# Altium PCB STM32MP25XXAK_LPDDR4_ascii.PcbDoc (part 4 of 5)
Units mm, origin at the board's own origin, x right, y up, seen from the top; angles counter-clockwise.
Board outline 120 x 79.6 mm, 4 copper layers (Top Layer, Signal Layer 1, Signal Layer 2, Bottom Layer), stack 1.614 mm thick; 190 components, 143 nets, 1208 pads, 757 vias.
Unrouted connection lines stored in the file: 3.
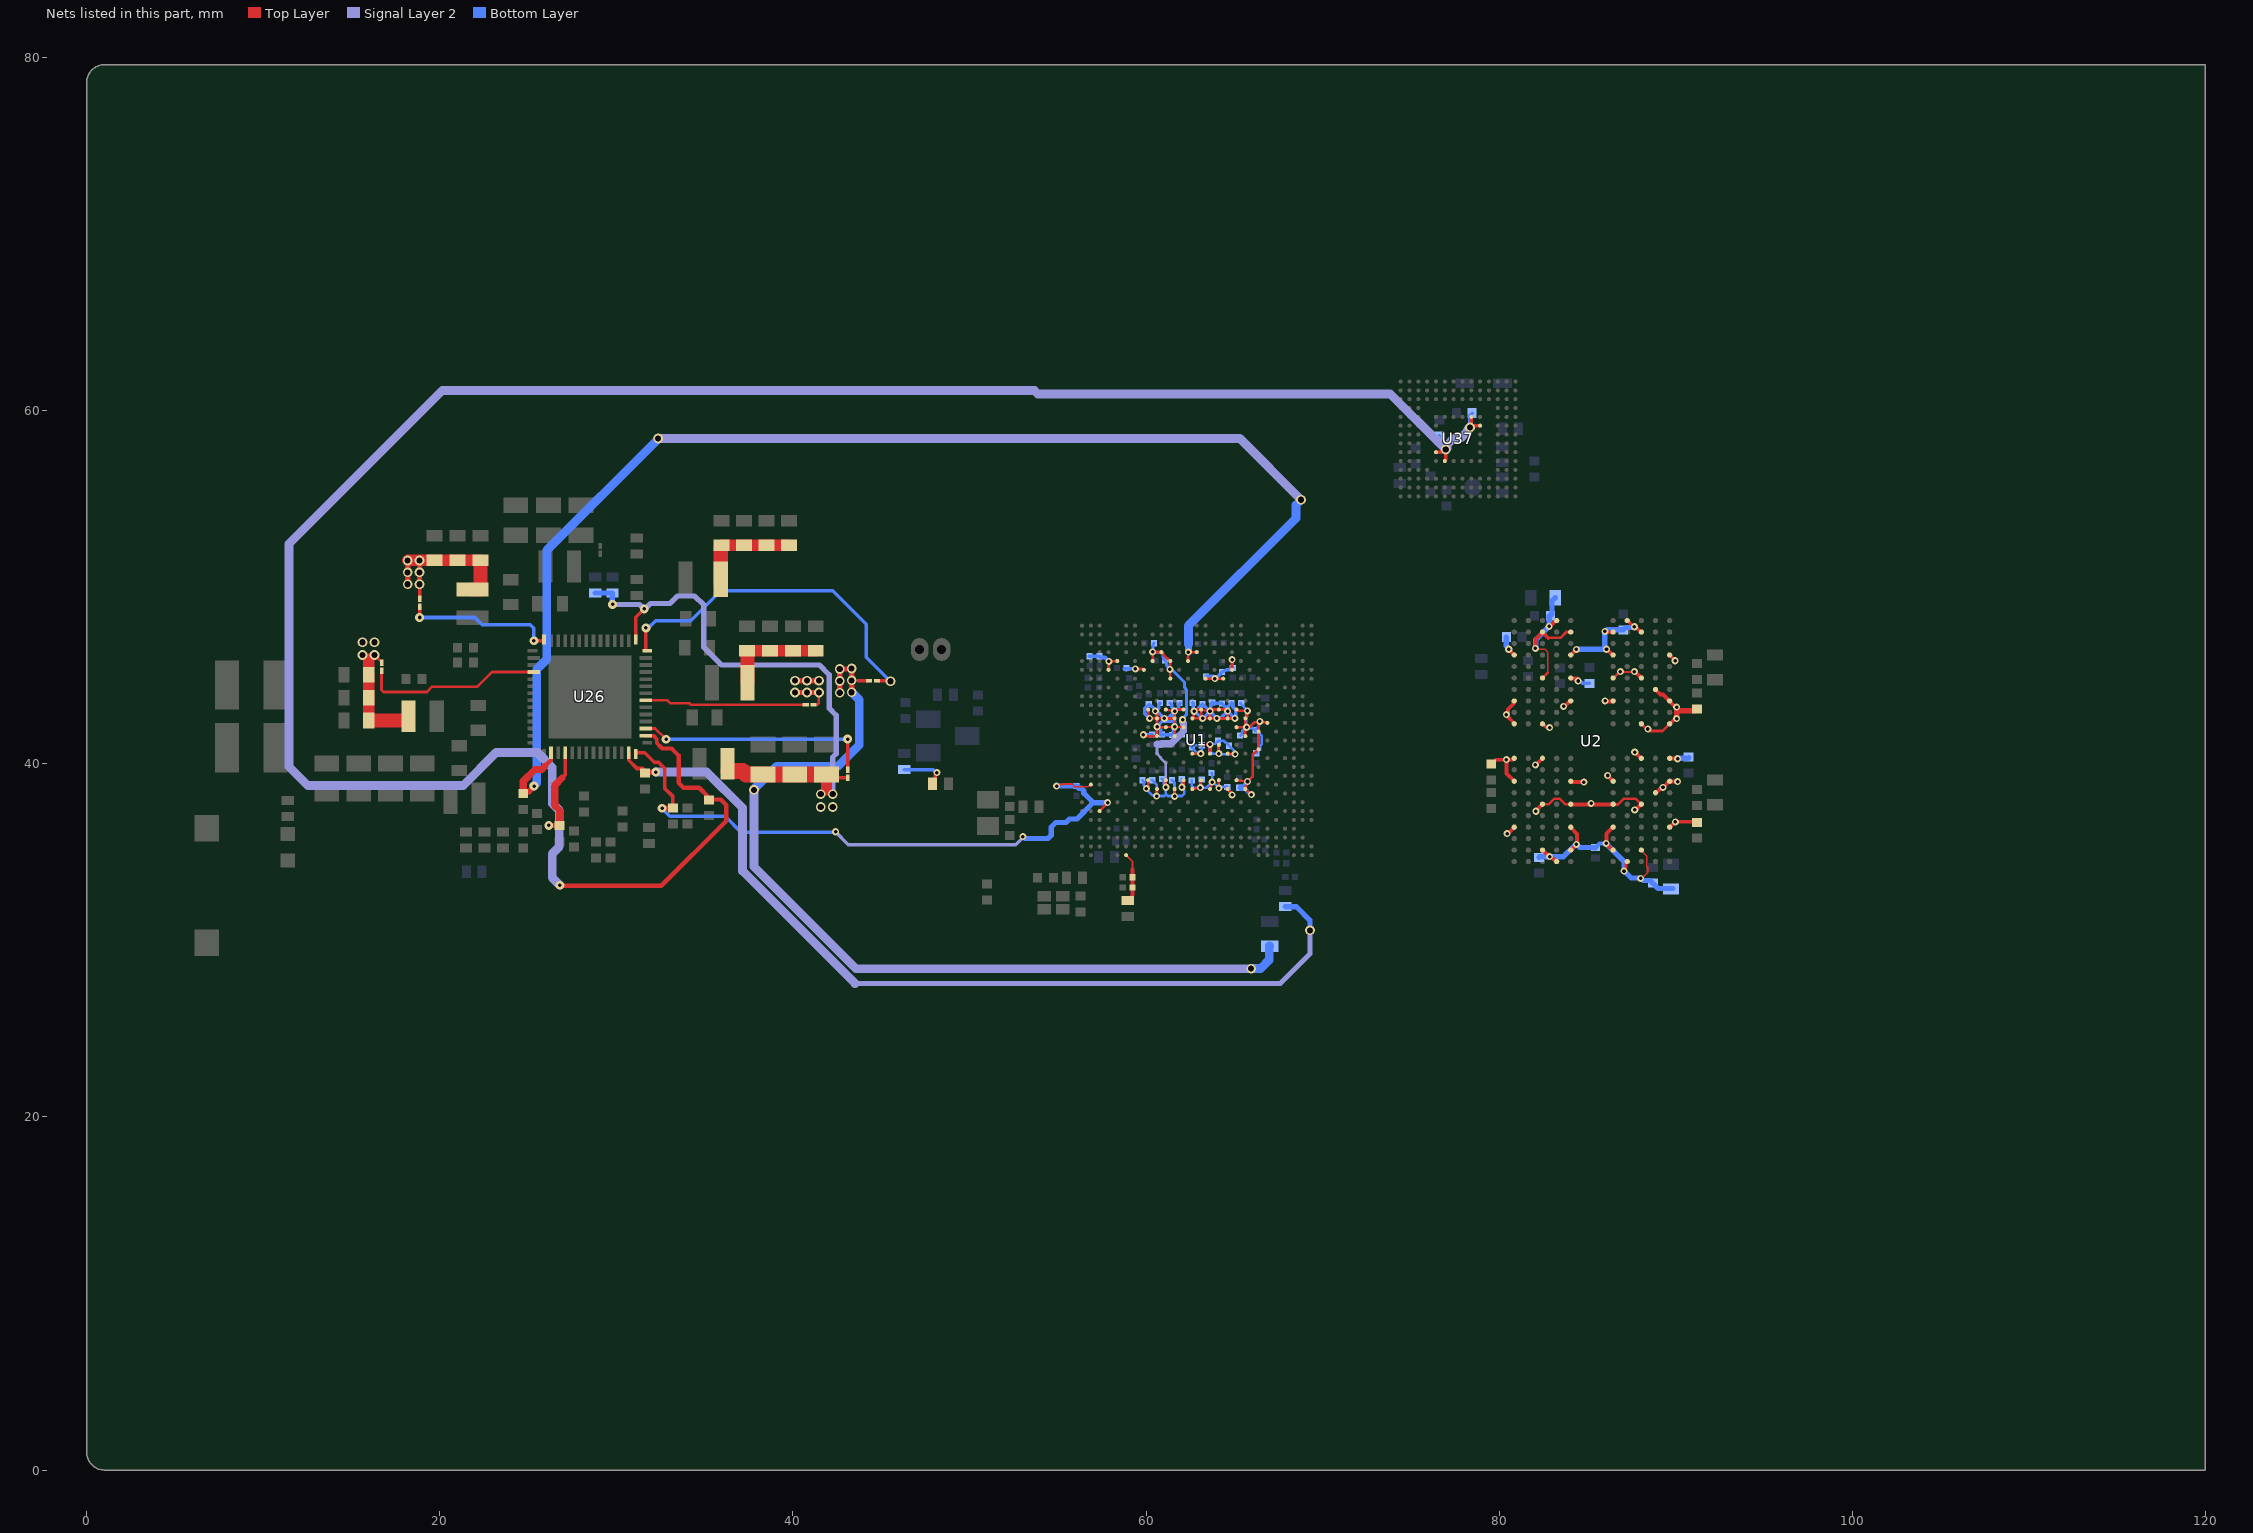
[diagram p5: the nets of this part, all layers, seen from the top]

## Via types
v1: diameter 0.55, hole 0.35, Top Layer to Bottom Layer, 277 vias
v2: diameter 0.4, hole 0.2, Top Layer to Bottom Layer, tented both sides, 229 vias
v3: diameter 0.5, hole 0.2, Top Layer to Bottom Layer, 146 vias
v4: diameter 0.4, hole 0.2, Top Layer to Bottom Layer, 105 vias

## Nets (pads, with @x,y where several pads share a name; then routed paths per layer and width w, separated by ;. In a path a pad name is that pad's centre, name@x,y a point inside that pad or via, vN(x,y) a via of type N, cw(c..) or ccw(c..) an arc to the next point about the centre after c; other vN are vias at no path point) (continued)
VDD2_DDR: C10.2 C11.2 C12.1 C13.1 C14.1 C15.1 C16.1 C17.1 C18.1 C19.1 C20.1 C21.1 C41.2 C75.2 C76.2 C77.1 C82.2 C83.2 C200.2 C202.2 L5.2 LNK8.2 R2.2 U1.1C11 U1.1D12 U1.1E11 U1.1F12 U1.1L11 U1.1M12 U1.M22 U1.N21 U1.R21 U2.A4 U2.A9 U2.AA3 U2.AA5 U2.AA8 U2.AA10 U2.AB4 U2.AB9 U2.B3 U2.B5 U2.B8 U2.B10 U2.D1 U2.D5 U2.D8 U2.D12 U2.F3 U2.F5 U2.F8 U2.F10 U2.G2 U2.H1 U2.H5 U2.H8 U2.H12 U2.K1 U2.K3 U2.K10 U2.K12 U2.N1 U2.N3 U2.N10 U2.N12 U2.R1 U2.R5 U2.R8 U2.R12 U2.T2 U2.U3 U2.U5 U2.U8 U2.U10 U2.W1 U2.W5 U2.W8 U2.W12 | length 84
  Top Layer w0.09: v4@82.121,46.482 82.614,46.482 82.754,46.341 82.754,45.159 ; U2.U5@86.46,44.865 U2.U5@86.48,44.865 ; v4@86.844,45.229 v4(86.865,45.229) 86.89,45.204 87.64,45.204 v4(87.665,45.229) ; U2.AB4@87.26,48.115 U2.AB4@87.285,48.115 ; v4@87.635,47.765 v4(87.659,47.765) ; v4(88.016,33.516) 88.083,33.516 88.405,33.838 88.405,34.168 88.369,34.204 88.369,34.784 U2.B3@88.059,35.094 ; U2.K1@89.659,40.369 U2.K1@89.684,40.369
  Top Layer w0.1: U2.W8@84.06,46.165 U2.W8@84.06,46.167 ; v4@84.38,46.487 v4(84.38,46.49) ; U2.W1@89.66,46.158 U2.W1@89.66,46.165 ; v4(89.972,45.84) v4@89.972,45.846
  Top Layer w0.15: v1(16.298,46.165) 16.7,45.763 LNK8.2@16.7,45.723 ; U1.1L11@65.125,39.075 v2(65.75,39) U1.1M12@65.625,38.575 65.625,38.565 65.9,38.29 65.94,38.29 v2(65.97,38.26) ; U1.1E11@65.125,42.075 65.625,42.075 cw(c65.663,41.93) v2(65.7,42.075) ; U1.1C11@65.125,43.075 65.147,43.075 65.222,43 65.735,43 65.731,42.996 65.731,42.703 65.625,42.597 U1.1D12@65.625,42.575 65.625,42.15 v2(65.7,42.075) ; U1.1F12@65.625,41.575 65.625,42 v2(65.7,42.075) ; v2@65.736,42.111 65.89,42.111 66.137,42.357 v2@66.407,42.357 ; U2.F10@82.459,37.694 82.469,37.704 82.803,37.704 83.129,38.03 83.389,38.03 ; U2.U10@82.46,44.865 82.754,45.159 ; 82.785,47.138 83.478,47.138 83.805,47.465 U2.AA8@84.06,47.465 ; 83.39,38.029 83.43,38.029 83.741,37.719 U2.F8@84.059,37.719 ; U2.F5@86.459,37.694 86.734,37.694 87.072,38.032 87.721,38.032 U2.F3@88.034,37.719 ; U2.U5@86.48,44.865 v4@86.844,45.229
  Top Layer w0.16: v2(65.75,39) 66.042,39.292 66.042,40.512 U1.R21@66.32,40.79 ; U1.R21@66.321,40.79 U1.R21@66.363,40.832 ; U1.R21@66.375,40.825 66.363,40.837 66.363,41.813 U1.N21@66.375,41.825 66.375,42.325 v2(66.45,42.4) 66.493,42.357 66.843,42.357 U1.M22@66.875,42.325 ; v4(87.076,33.92) 87.076,33.985 87.193,34.102 87.193,34.105 87.196,34.108 87.196,34.363 87.26,34.427 U2.A4@87.26,34.465 ; U2.N3@88.06,42.265 88.35,41.975 v4(88.425,41.975) 88.546,41.854 89.249,41.854 U2.N1@89.66,42.265
  Top Layer w0.2: v4@80.546,46.484 v4(80.546,46.49) ; U2.W12@80.86,46.165 U2.W12@80.86,46.171 ; v4(82.835,47.79) 82.873,47.828 v4@82.946,47.828 ; U2.AB9@83.233,48.115 U2.AB9@83.26,48.115 ; v4(85.99,47.505) 86.03,47.465 U2.AA5@86.46,47.465 ; U2.AB4@87.285,48.115 v4@87.635,47.765 ; v4(87.659,47.765) 87.697,47.727 87.771,47.727 88.033,47.465 U2.AA3@88.06,47.465 ; U2.W1@89.66,46.158 v4@89.972,45.846
  Top Layer w0.22: C13.1@79.559,39.979 79.814,40.235 v4(80.415,40.235) ; v4@80.488,36.045 80.51,36.045 U2.D12@80.859,36.394 ; v4@80.546,46.484 U2.W12@80.86,46.171 ; U2.H12@80.859,39.021 80.421,39.459 80.421,40.229 v4(80.415,40.235) ; U2.K12@80.859,40.294 80.856,40.297 U2.K12@80.842,40.297 ; U2.K12@80.86,40.315 U2.K12@80.842,40.297 ; U2.N12@80.86,42.265 80.86,42.301 80.414,42.747 v4(80.414,42.784) 80.414,42.832 80.504,42.922 80.504,42.924 80.51,42.93 80.51,43.093 80.82,43.403 80.82,43.503 80.86,43.543 U2.R12@80.86,43.565 ; v4@82.059,39.919 82.072,39.919 82.447,40.294 U2.K10@82.459,40.294 ; v4@82.086,37.344 82.436,37.694 U2.F10@82.459,37.694 ; v4@82.089,46.574 82.089,47.074 82.459,47.444 82.479,47.444 82.785,47.138 ; U2.B10@82.459,35.094 82.462,35.097 82.493,35.097 82.845,34.744 v4(82.86,34.744) ; U2.N10@82.459,42.244 82.491,42.244 82.497,42.25 82.672,42.074 82.826,42.074 v4@82.86,42.04 ; v4@82.859,34.719 82.893,34.685 82.997,34.685 83.237,34.444 U2.A9@83.259,34.444 ; v4@82.946,47.828 U2.AB9@83.233,48.115 ; v4(83.66,43.253) 83.704,43.253 84.016,43.565 U2.R8@84.06,43.565 ; U2.B8@84.059,35.094 v4@84.384,35.419 ; U2.D8@84.059,36.394 84.419,36.034 v4@84.419,35.503 ; U2.F8@84.059,37.719 84.072,37.707 85.122,37.707 85.134,37.719 85.147,37.707 86.447,37.707 U2.F5@86.459,37.694 ; U2.H8@84.059,39.015 84.081,39.015 84.131,38.965 v4(84.809,38.965) ; U2.U8@84.059,44.844 84.074,44.829 84.426,44.829 84.46,44.794 v4@84.509,44.794 ; U2.W8@84.06,46.167 v4@84.38,46.487 ; v4(86.01,43.565) 86.042,43.532 U2.R5@86.422,43.532 ; v4(86.085,46.49) 86.11,46.49 86.435,46.165 U2.W5@86.46,46.165 ; v4(86.145,39.34) U2.H5@86.46,39.025 ; U2.B5@86.459,35.094 86.059,35.494 86.089,35.524 86.089,36.044 U2.D5@86.46,36.415 ; v4@87.679,45.243 88.032,44.891 88.032,44.883 U2.U3@88.059,44.856 ; v4(87.685,37.39) 87.733,37.39 87.817,37.474 88.037,37.694 U2.F3@88.059,37.694 ; v4(87.685,40.665) 87.697,40.665 88.046,40.316 U2.K3@88.059,40.316 ; U2.T2@88.832,44.199 88.854,44.199 89.134,43.919 89.284,43.919 89.95,43.253 90.025,43.253 v4@90.059,43.219 ; U2.G2@88.859,38.344 88.881,38.344 v4@89.171,38.635 ; v4(89.285,38.665) 89.298,38.665 89.628,38.995 89.658,38.995 89.659,38.994 v4@90.109,38.994 ; U2.D1@89.659,36.394 89.984,36.719 C15.1@91.159,36.719 ; U2.K1@89.659,40.307 89.659,40.294 v4@90.109,40.294 ; U2.N1@89.659,42.244 89.95,42.535 90.025,42.535 v4@90.059,42.569 ; v4(80.415,40.235) 80.78,40.235 U2.K12@80.842,40.297
  Top Layer w0.3: v4@90.059,42.569 v4@90.059,43.219 ; 90.259,43.014 91.079,43.014 C14.1@91.184,43.119
  Top Layer w0.64: C202.2@15.975,42.45 C41.2@15.975,43.75 C200.2@15.975,45.05 ; 15.975,45.495 15.975,45.925
  Top Layer w0.8: C202.2@16.2,42.45 L5.2@17.975,42.45
  Bottom Layer w0.15: C83.2@65.35,43.425 v2@65.627,43.148 ; C82.2@65.352,41.603 65.452,41.703 65.452,41.862 v2@65.625,42.035 ; v2@65.625,42.075 65.625,42.143 65.675,42.193 v2@65.675,42.99 ; v2@65.673,42.027 66.023,42.027 66.183,41.867 C75.2@66.218,41.867 ; C75.2@66.205,41.9 66.305,41.8 66.331,41.8 66.431,41.7 66.452,41.7 66.555,41.597 66.555,41.109 66.474,41.028 66.474,40.824 66.47,40.82
  Bottom Layer w0.16: C75.2@66.175,41.9 66.27,41.995 66.27,42.018 66.404,42.152 66.404,42.354 v2(66.45,42.4) ; C77.1@66.25,40.6 66.345,40.695 66.348,40.695 66.47,40.817 66.47,40.82
  Bottom Layer w0.2: v2(65.75,39) 65.476,38.726 65.466,38.726 65.463,38.723 65.349,38.723 C76.2@65.274,38.648 65.349,38.573 65.607,38.573 65.92,38.26 v2(65.97,38.26)
  Bottom Layer w0.22: v4@84.509,44.79 84.73,44.569 85.105,44.569 C21.1@85.109,44.565 ; R2.2@85.409,35.215 85.459,35.215 85.549,35.305 85.549,35.355 85.684,35.49 v4(86.06,35.49)
  Bottom Layer w0.3: C12.1@80.411,47.18 80.41,46.671 80.547,46.534 v4@80.547,46.485 ; v4@82.061,46.535 82.08,46.554 82.08,47.029 v4@82.836,47.785 ; C19.1@82.26,34.705 82.3,34.744 83.653,34.744 84.324,35.415 84.378,35.415 84.402,35.44 84.577,35.265 R2.2@85.461,35.265 ; v4(82.835,47.79) 82.834,48.365 C16.1@82.91,48.441 ; C16.1@82.911,48.39 82.996,48.475 82.996,49.225 C10.2@83.186,49.415 ; v4@84.381,46.485 86.086,46.485 86.086,46.534 85.991,46.629 85.991,47.499 86.04,47.499 86.13,47.59 C17.1@87.036,47.59 87.17,47.725 87.626,47.725 v4@87.66,47.76 ; v4(86.06,35.49) 87.077,34.473 87.077,33.915 87.104,33.915 87.489,33.531 87.998,33.531 88.017,33.511 88.088,33.455 88.162,33.397 88.553,33.397 88.58,33.345 C18.1@88.705,33.244 ; C18.1@88.604,33.345 C18.1@88.705,33.244 ; C18.1@88.71,33.24 C18.1@88.705,33.244 ; C11.2@89.834,32.94 89.009,32.94 C18.1@88.705,33.244 ; v4@90.109,40.29 90.143,40.324 90.718,40.324 C20.1@90.759,40.365
  other v1: 15.623,46.165 15.623,46.89 16.298,46.89
  other v2: 65.743,43
  other v4: 84.375,35.44 80.46,36.045 89.985,36.715 82.085,37.315 85.21,37.765 90.11,38.99 82.06,39.94 90.11,40.29 82.86,42.05 90.06,42.565 90.06,43.215 84.479,44.694 82.06,46.54
VDD3V3_USB: C61.2 R286.1 U26.13 | length 50.7
  Top Layer w0.21: U26.13@30.7,40.63 30.7,40.2 31.163,39.737 31.418,39.737 31.42,39.735 31.49,39.735 31.625,39.6 C61.2@31.625,39.53
  Top Layer w0.3: C61.2@31.625,39.53 v3(32.235,39.53)
  Signal Layer 2 w0.3: 43.518,27.562 67.603,27.562 69.284,29.244 v1(69.284,30.569)
  Signal Layer 2 w0.5: v3(32.235,39.53) 35.12,39.53 37.15,37.5 37.15,33.93 43.518,27.562
  Bottom Layer w0.3: R286.1@67.89,31.915 67.898,31.908 68.514,31.908 69.284,31.138 v1(69.284,30.569)
VDD_DDR_FB: LNK8.1 U26.46 | length 10.2
  Top Layer w0.15: LNK8.1@16.7,45.273 16.7,44.19 16.817,44.073 19.267,44.073 19.567,44.373 20.237,44.373 20.239,44.375 22.127,44.375 22.952,45.2 U26.46@25.33,45.2
VDD_EMMC: C9.2 C117.2 C190.1 U26.16 U37.E6 U37.F5 U37.J10 U37.K9 | length 132.2
  Top Layer w0.2: U37.E6@76.425,57.655 76.73,57.655 76.88,57.805 v1(76.975,57.805) 76.975,57.213 76.925,57.163 U37.F5@76.925,57.155 ; v1(78.35,59.055) v1@78.425,59.13 ; U37.J10@78.425,59.655 78.425,59.225 78.417,59.217 78.417,59.138 v1@78.425,59.13 ; U37.K9@78.925,59.155 78.545,59.155 78.512,59.122 78.433,59.122 v1@78.425,59.13
  Top Layer w0.21: U26.16@31.67,41.6 32.1,41.6 32.288,41.412 32.288,41.187 32.434,41.041
  Top Layer w0.25: v3@26.752,33.092 32.549,33.092 36.225,36.768 36.225,37.668 35.912,37.981 C190.1@35.266,37.981 ; 32.432,41.038 32.598,40.872 33.128,40.872 33.525,40.475 33.525,38.925 33.8,38.65 34.695,38.65 35.25,38.095 C190.1@35.25,38.025
  Signal Layer 2 w0.5: v3(26.8,33.125) 26.372,33.553 26.372,34.908 26.765,35.301 26.765,37.369 26.372,37.762 26.372,39.786 25.509,40.649 23.203,40.649 21.327,38.773 12.524,38.773 11.458,39.839 11.458,52.457 20.147,61.146 53.676,61.146 53.869,60.953 73.827,60.953 76.886,57.894 v1(76.975,57.805) 76.975,57.819 77.05,57.894 77.05,58.059 77.431,58.44 77.819,58.44 78.2,58.821 78.2,58.891 78.34,59.032 v1@78.34,59.045
  Bottom Layer w0.2: C9.2@76.615,58.58 76.615,58.074 76.884,57.805 v1(76.975,57.805) ; v1(78.35,59.055) 78.35,59.739 C117.2@78.475,59.864
VDD_SDCARD: C215.1 U26.4 | length 5.1
  Top Layer w0.21: 26.925,39.2 27.1,39.375 U26.4@27.1,40.63
  Top Layer w0.3: v3(26.165,36.51) C215.1@26.775,36.51
  Top Layer w0.4: C215.1@26.775,36.51 26.775,37.393 26.51,37.658 26.51,38.785 26.925,39.2
VDDA1V8_AON: C189.2 C234.2 U1.AB3 U1.W2 U26.14 | length 37.9
  Top Layer w0.09: 56.026,38.692 56.705,38.692 56.837,38.825 U1.W2@56.875,38.825 ; v2@57.825,37.775 v2(57.825,37.8)
  Top Layer w0.1: v2(54.932,38.744) 54.99,38.801 55.205,38.801 55.267,38.863 55.805,38.863 55.975,38.692 56.026,38.692
  Top Layer w0.15: U1.AB3@57.375,37.325 v2@57.825,37.775
  Top Layer w0.21: U26.14@31.1,40.63 31.61,40.63 32.148,40.092 32.387,40.092 32.745,39.734 32.745,38.602 33.2,38.147 C189.2@33.2,37.49
  Top Layer w0.3: v3(32.59,37.49) C189.2@33.2,37.49
  Signal Layer 2 w0.2: v2(42.415,36.154) 43.144,35.425 52.627,35.425 53.025,35.823 v2(53.025,35.875)
  Bottom Layer w0.2: v3@32.57,37.493 33.032,37.031 36.158,37.031 37.056,36.133 42.394,36.133 v2(42.415,36.154)
  Bottom Layer w0.3: v2(53.025,35.875) 53.052,35.875 53.152,35.775 53.829,35.775 53.836,35.769 54.451,35.769 54.627,35.944 54.627,36.412 54.891,36.675 55.461,36.675 55.662,36.877 56.088,36.877 57.012,37.8 ; v2(54.932,38.744) 54.936,38.748 C234.2@56.064,38.748 56.199,38.613 56.338,38.613 56.479,38.472 56.479,38.333 57.012,37.8 ; v2(57.825,37.8) 57.012,37.8
VDDCORE: C22.2 C23.2 C24.2 C44.1 C45.2 C46.2 C47.1 C48.2 C49.2 C50.2 C51.2 C183.2 C192.2 C197.2 C201.2 L2.2 LNK2.2 R11.1 U1.1C1 U1.1C3 U1.1C5 U1.1D2 U1.1D4 U1.1E3 U1.1E5 U1.1F2 U1.1F4 U1.E5 U1.F4 U1.F8 | length 78.4
  Top Layer w0.15: U1.F4@57.875,45.325 v2(57.9,45.8) U1.E5@58.375,45.825 ; v2(59.4,45.375) 59.803,45.375 59.853,45.325 U1.F8@59.875,45.325 ; v2(59.85,41.65) 59.904,41.65 59.981,41.573 U1.1F2@60.624,41.573 ; U1.1C1@60.125,43.075 60.125,42.724 60.206,42.643 v2@60.206,42.575 ; v2(60.21,42.575) U1.1D2@60.625,42.575 ; v2@60.545,42.99 60.545,42.922 60.625,42.842 U1.1D2@60.625,42.575 ; U1.1F2@60.625,41.65 v2(60.625,42.1) ; U1.1C3@61.125,43.075 v2(61.625,42.983) ; U1.1F4@61.625,41.575 v2(61.625,42.1) ; U1.1E5@62.125,42.075 v2(61.625,42.1) ; U1.1C5@62.125,43.075 61.771,43.075 61.679,42.983 v2(61.625,42.983) ; v2(60.625,42.1) U1.1D2@60.625,42.575 ; v2(60.625,42.1) 60.65,42.075 U1.1E3@61.125,42.075 v2(61.625,42.1) ; U1.1D2@60.625,42.575 61.017,42.572 61.622,42.572 U1.1D4@61.625,42.575 ; v2(61.625,42.1) U1.1D4@61.625,42.575 ; U1.1D4@61.625,42.575 v2@61.625,42.983
  Top Layer w0.2: C22.2@39.775,52.375 C22.2@39.823,52.423 ; 43.7,44.7 LNK2.2@44.316,44.7
  Top Layer w0.3: v1(42.656,44.024) v1(42.656,44.699) v1(42.656,45.374) 43.331,45.374 v1@43.331,44.024
  Top Layer w0.64: C183.2@35.95,52.375 C24.2@37.225,52.375 C23.2@38.5,52.375 C22.2@39.775,52.375
  Top Layer w0.8: L2.2@35.915,50.2 L2.2@35.915,50.45 C183.2@35.915,52.173
  Signal Layer 2 w0.5: v1(37.8,38.525) 37.798,38.523 37.798,34.168 43.576,28.39 v1@65.911,28.39 ; v1@65.911,28.391 65.947,28.391 v1(65.956,28.4)
  Bottom Layer w0.2: C192.2@56.8,46.1 C201.2@57.375,46.1 57.45,46.025 57.675,46.025 v2(57.9,45.8) ; C197.2@58.755,45.355 58.775,45.375 v2(59.4,45.375) ; v2(59.85,41.65) 60.346,41.65 C44.1@60.351,41.655 ; v2@60.206,42.575 59.942,42.839 59.942,43.153 60.059,43.27 60.098,43.27 60.173,43.345 60.198,43.32 60.235,43.32 60.285,43.27 60.328,43.27 60.507,43.091 60.507,43.028 60.545,42.99 v2@60.578,42.99 ; C51.2@60.814,43.438 60.788,43.438 60.725,43.375 60.725,43.137 v2@60.578,42.99 ; C46.2@60.84,41.657 C46.2@60.913,41.657 ; C46.2@60.915,41.655 C46.2@60.913,41.657 ; v2@61.135,42.572 61.017,42.572 61.017,42.591 60.719,42.89 60.699,42.89 60.599,42.99 v2@60.578,42.99 ; C49.2@61.377,43.437 61.452,43.362 61.452,43.201 61.625,43.028 v2(61.625,42.983) v2@61.616,42.961 ; C47.1@61.476,41.631 C47.1@61.502,41.657 ; C50.2@61.941,43.438 61.866,43.363 61.866,43.211 v2@61.616,42.961 ; C48.2@62.038,41.657 C47.1@61.502,41.657 ; C46.2@60.913,41.657 C47.1@61.502,41.657 ; C46.2@60.913,41.657 60.84,41.73 60.84,41.94 60.719,42.062 60.663,42.062 v2(60.625,42.1) 60.625,42.107 60.923,42.405 v2@61.06,42.405 ; v2@61.06,42.405 v2@61.227,42.572 ; v2@61.06,42.405 61.623,42.405 ; v2@61.227,42.572 v2@61.616,42.961 ; v2@61.227,42.572 61.455,42.572 ; 61.455,42.572 v2@61.616,42.961 ; 61.455,42.572 61.623,42.405 ; C47.1@61.502,41.657 61.551,41.706 61.551,41.972 61.625,42.046 v2(61.625,42.1) 61.623,42.102 61.623,42.405
  Bottom Layer w0.5: v1(37.8,38.525) 37.81,38.535 37.81,38.592 39.084,39.866 42.555,39.866 43.757,41.068 43.757,43.623 v1(43.326,44.054) ; v1(65.956,28.4) 66.485,28.4 66.983,28.898 66.983,29.658 R11.1@67,29.675
  other v1: 43.326,44.729 43.326,45.404
  other v2: 61.04,42.575 60.531,42.99
VDDCORE_FB: LNK2.1 U26.28 | length 20.6
  Top Layer w0.2: U26.28@31.67,46.4 v3(31.67,47.7) ; LNK2.1@44.766,44.7 v1@45.376,44.7
  Bottom Layer w0.2: v3@31.645,47.7 31.702,47.757 31.876,47.757 32.229,48.111 34.209,48.111 35.902,49.804 42.248,49.804 44.15,47.902 44.15,46.041 v1@45.508,44.683 ; v3@31.65,47.703 31.707,47.761 31.881,47.761 32.234,48.114
  other v1: 45.533,44.683
VDDCPU: C26.2 C27.2 C28.2 C62.1 C63.2 C64.2 C65.1 C66.2 C67.2 C68.2 C69.2 L3.2 LNK4.1 U1.1C7 U1.1C9 U1.1D6 U1.1D8 U1.1D10 U1.F18 U1.G15 U1.G17 | length 28.3
  Top Layer w0.15: v2@62.725,42.907 v2@62.725,42.975 ; v2@63.2,42.575 U1.1D6@62.625,42.575 62.625,42.597 62.696,42.668 62.696,42.956 v2(62.72,42.98) 62.788,42.98 62.883,43.075 U1.1C7@63.125,43.075 ; U1.G15@63.375,44.825 v2(63.9,44.825) U1.G17@64.375,44.825 ; U1.F18@64.875,45.325 v2(64.875,45.91) ; v2@65.017,42.572 64.628,42.572 U1.1D10@64.625,42.575 ; U1.1C7@63.125,43.075 63.125,42.728 63.21,42.643 v2(63.21,42.575) U1.1D8@63.625,42.575 ; U1.1C7@63.125,43.075 v2(63.625,42.983) ; U1.1D8@63.625,42.575 v2(63.625,42.983) ; U1.1D8@63.625,42.575 v2(64.017,42.572) 64.622,42.572 U1.1D10@64.625,42.575 ; v2(63.625,42.983) 63.693,42.983 63.784,43.075 U1.1C9@64.125,43.075 64.466,43.075 64.557,42.983 v2(64.625,42.983) U1.1D10@64.625,42.575
  Top Layer w0.2: LNK4.1@18.85,49.35 v1(18.85,50.173)
  Top Layer w0.3: v1(18.175,50.173) v1(18.175,50.848) v1(18.175,51.523) v1(18.85,51.523) v1(18.85,50.848) v1(18.85,50.173)
  Top Layer w0.64: v1(18.175,51.523) v1(18.175,51.523) C27.2@19.7,51.525 C28.2@21,51.525 C26.2@22.3,51.525
  Top Layer w0.8: L3.2@21.85,49.875 22.3,49.875 22.3,51.173
  Bottom Layer w0.15: v2(64.875,45.91) 64.895,45.89 C66.2@64.895,45.441
  Bottom Layer w0.2: C63.2@62.65,43.455 62.685,43.42 v2@62.685,43.015 ; C67.2@63.4,44.95 63.775,44.95 v2(63.9,44.825) 63.933,44.825 64.23,45.122 64.23,45.127 64.3,45.197 C69.2@64.305,45.197 ; v2(64.017,42.572) 64.055,42.61 64.252,42.61 v2(64.625,42.983) ; v2@64.017,42.583 v2@63.625,42.975 ; C69.2@64.305,45.202 64.579,45.324 64.778,45.324 64.886,45.432 64.91,45.423 C66.2@64.915,45.421 ; v2@63.625,42.975 v2(63.625,42.983) ; v2@63.625,42.975 63.625,42.963 63.237,42.575 63.169,42.575 62.764,42.98 v2(62.72,42.98) 62.758,43.018 62.843,43.018 C62.1@63.2,43.375 63.275,43.3 63.308,43.3 v2(63.625,42.983) ; v2(63.625,42.983) 63.625,43.038 63.675,43.088 63.675,43.4 C65.1@63.75,43.475 63.784,43.441 64.284,43.441 C68.2@64.3,43.425 64.587,43.138 64.587,43.022 v2(64.625,42.983) ; v2(64.625,42.983) 64.658,43.016 64.658,43.258 C64.2@64.85,43.45 64.925,43.375 64.925,43.22 65.086,43.059 65.086,42.672 65.04,42.626 v2(65.04,42.572) 65.036,42.572 v2(64.625,42.983)
VDDCPU_FB: LNK4.2 U26.42 | length 8.6
  Top Layer w0.2: v3(18.85,48.29) LNK4.2@18.85,48.9 ; v3(25.325,46.975) U26.42@25.895,46.975
  Bottom Layer w0.2: v3(18.85,48.29) 21.979,48.29 22.394,47.875 25.123,47.875 25.325,47.673 v3(25.325,46.975)
VDDGPU: C34.2 C35.2 C36.2 C37.2 C52.2 C53.2 C54.2 C55.2 C57.2 C58.2 C59.2 C60.2 L4.2 LNK7.2 U1.1G7 U1.1G9 U1.1H6 U1.1H8 U1.1H10 U1.1L7 U1.1L9 U1.1M6 U1.1M8 U1.1M10 | length 24.7
  Top Layer w0.1: U1.1H6@62.625,40.575 U1.1H6@62.625,40.61
  Top Layer w0.125: v2(64.125,40.575) U1.1G9@64.125,41.075
  Top Layer w0.15: LNK7.2@41.175,43.35 41.182,43.358 41.385,43.358 41.473,43.445 v1(41.473,44.038) ; U1.1M6@62.625,38.575 v2(63.075,38.65) U1.1L7@63.125,39.075 ; U1.1H6@62.625,40.575 v2(63.1,40.575) ; U1.1G7@63.125,41.075 v2(63.625,41.1) U1.1H8@63.625,40.575 ; U1.1M8@63.625,38.575 v2(63.747,38.971) ; v2(64.125,38.629) U1.1L9@64.125,39.075 ; U1.1M10@64.625,38.575 v2(64.876,38.245)
  Top Layer w0.16: U1.1H10@64.625,40.575 v2(65.05,40.55)
  Top Layer w0.2: C35.2@41.55,46.393 C35.2@41.598,46.345
  Top Layer w0.3: v1(40.123,44.038) v1(40.798,44.038) v1(41.473,44.038) ; v1(40.123,44.713) v1(40.798,44.713) v1(41.473,44.713)
  Top Layer w0.64: C37.2@37.4,46.4 C36.2@38.7,46.4 C34.2@40,46.4 C35.2@41.3,46.4
  Top Layer w0.8: L4.2@37.425,44.6 37.425,46.073
  Bottom Layer w0.15: C57.2@62.592,39.053 62.592,38.738 62.68,38.65 v2(63.075,38.65) ; C60.2@63.154,39.122 63.092,39.06 63.092,38.667 v2(63.075,38.65) ; C59.2@63.714,39.486 63.747,39.453 v2(63.747,38.971) ; v2(64.876,38.245) 64.876,38.289 64.707,38.458 64.707,38.597 C58.2@64.607,38.697 64.193,38.697 v2(64.125,38.629) 63.783,38.971 v2(63.747,38.971) ; v2(63.075,38.65) 63.426,38.65 v2(63.747,38.971) ; C52.2@63.162,41.057 62.788,41.057 62.756,41.025 62.7,41.025 C55.2@62.6,40.925 62.902,40.623 63.052,40.623 v2(63.1,40.575) 63.162,40.637 C52.2@63.162,41.057 ; C52.2@63.162,41.057 63.184,41.079 63.603,41.079 v2(63.625,41.1) ; v2(63.625,41.1) 63.656,41.131 63.908,41.131 C53.2@64.083,41.306 ; v2(63.625,41.1) 63.625,40.719 63.769,40.575 v2(64.125,40.575) ; C53.2@64.083,41.306 64.396,41.306 64.463,41.239 64.496,41.239 C54.2@64.706,41.029 65.002,40.733 65.002,40.598 v2(65.05,40.55) 64.15,40.55 v2(64.125,40.575) ; C53.2@64.083,41.306 64.083,40.962 64.125,40.919 v2(64.125,40.575)
VDDGPU_FB: LNK7.1 U26.21 | length 9.3
  Top Layer w0.15: U26.21@31.55,43.6 32.883,43.6 33.06,43.423 34.14,43.423 34.213,43.35 LNK7.1@40.725,43.35
VDDIO: C70.1 C71.2 C72.2 C73.1 C74.2 C185.2 C186.2 C187.2 C196.2 C205.2 L6.2 LNK11.2 R27.2 R67.2 R260.2 R261.2 U1.1L1 U1.1L3 U1.1L5 U1.1M2 U1.1M4 U1.D10 U1.E9 U1.E11 U1.G11 U26.29 | length 59.1
  Top Layer w0.15: v2(60.025,38.6) 60.025,38.618 60.125,38.718 U1.1L1@60.125,39.075 ; U1.E9@60.375,45.825 U1.E9@60.397,45.825 ; U1.E9@60.375,45.825 v2(60.375,46.344) ; v2@60.448,46.335 U1.D10@60.865,46.335 ; v2(60.6,38.175) U1.1M2@60.625,38.575 ; U1.D10@60.875,46.325 60.875,46.322 61,46.197 61,46.17 61.22,45.95 61.247,45.95 61.372,45.825 U1.E11@61.375,45.825 61.375,45.448 61.362,45.435 61.375,45.423 U1.G11@61.375,44.825 ; v2(61.125,38.675) U1.1L3@61.125,39.075 ; U1.1M4@61.625,38.575 61.625,38.212 v2@61.663,38.175 ; v2@62.05,38.675 62.05,38.743 62.125,38.818 U1.1L5@62.125,39.075
  Top Layer w0.2: U26.29@31.1,47.045 31.1,48.298 v3(31.575,48.773) ; C186.2@41.9,39.4 42.085,39.215 LNK11.2@43.1,39.215 ; R27.2@47.905,38.872 48.06,39.027 48.06,39.347 48.158,39.446 v2(48.158,39.5)